# KiCad board data-center-rdimm-ddr5-tester.kicad_pcb (continued)
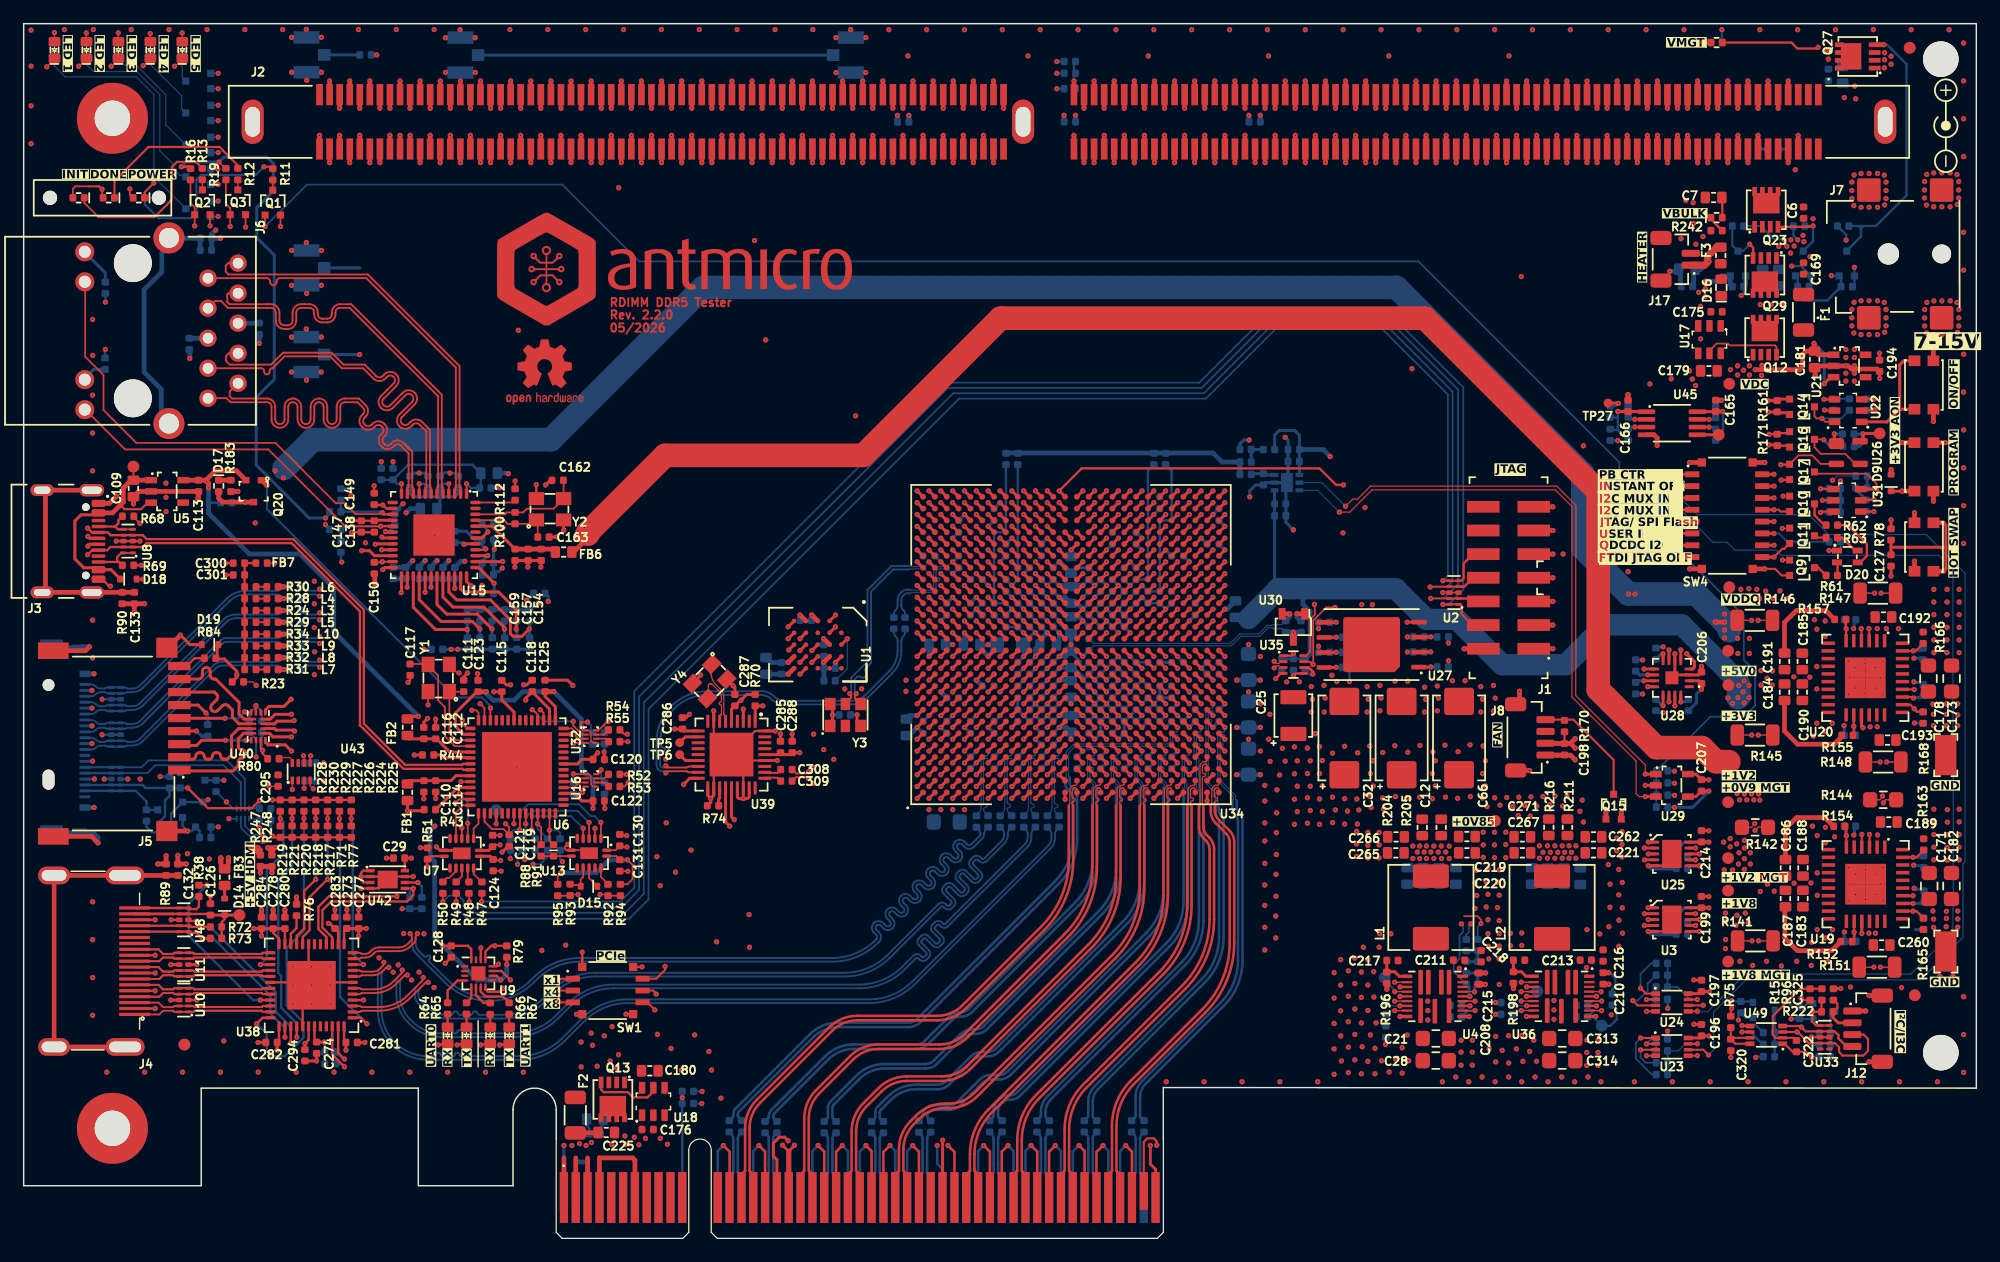
[diagram p0: board, top side]
## Routing (per net, layer and track width the routed paths; a pad name or vN(x,y) marks a point on that pad's centre or on a via; arc(x,y) is an arc through that point) (continued)
/DDR5 RDIMM/A.DQ18: length 76.5
  Top w0.256: U34.AC22 v1(98.5,59.2)
  Top w0.38: J2.174 v1(127,90.95)
  In2.Cu w0.148: 100,62.2 100,76.37 96.45,79.92 96.45,81.9 97.45,82.9 105.15,82.9 105.85,83.6 106.5,83.6 arc(106.78,83.48) 106.9,83.2 106.9,82.86 arc(107.02,82.58) 107.3,82.46 arc(107.58,82.58) 107.7,82.86 107.7,83.2 arc(107.82,83.48) 108.1,83.6 arc(108.38,83.48) 108.5,83.2 108.5,82.86 arc(108.62,82.58) 108.9,82.46 arc(109.18,82.58) 109.3,82.86 109.3,83.2 arc(109.42,83.48) 109.7,83.6 arc(109.98,83.48) 110.1,83.2 110.1,82.86 arc(110.22,82.58) 110.5,82.46 arc(110.78,82.58) 110.9,82.86 110.9,83.2 arc(111.02,83.48) 111.3,83.6 arc(111.58,83.48) 111.7,83.2 111.7,82.86 arc(111.82,82.58) 112.1,82.46 arc(112.38,82.58) 112.5,82.86 112.5,83.2 arc(112.62,83.48) 112.9,83.6 arc(113.18,83.48) 113.3,83.2 113.3,82.86 arc(113.42,82.58) 113.7,82.46 arc(113.98,82.58) 114.1,82.86 114.1,83.2 arc(114.22,83.48) 114.5,83.6 arc(114.78,83.48) 114.9,83.2 114.9,82.86 arc(115.02,82.58) 115.3,82.46 arc(115.58,82.58) 115.7,82.86 115.7,83.2 arc(115.82,83.48) 116.1,83.6 arc(116.38,83.48) 116.5,83.2 116.5,82.86 arc(116.62,82.58) 116.9,82.46 arc(117.18,82.58) 117.3,82.86 117.3,83.2 arc(117.42,83.48) 117.7,83.6 arc(117.98,83.48) 118.1,83.2 118.1,82.86 arc(118.22,82.58) 118.5,82.46 arc(118.78,82.58) 118.9,82.86 118.9,83.2 arc(119.02,83.48) 119.3,83.6 arc(119.58,83.48) 119.7,83.2 119.7,82.86 arc(119.82,82.58) 120.1,82.46 arc(120.38,82.58) 120.5,82.86 120.5,83.2 arc(120.62,83.48) 120.9,83.6 121.4,83.6 127,89.2 v1(127,90.95)
  In2.Cu w0.15: 100,62.2 100,61 99.7,60.7 99.37,60.7 99,60.33 99,59.7 v1(98.5,59.2)
/DDR5 RDIMM/A.DQ19: length 76
  Top w0.256: U34.AC23 v1(98.5,60.2)
  Top w0.38: J2.176 v1(125.3,90.95)
  In2.Cu w0.148: v1(98.5,60.2) 98.5,60.5 99,61 99,75.65 95.15,79.5 95.15,83.05 97.1,85 97.4,85 arc(97.63,84.9) 97.72,84.67 97.72,83.82 arc(97.82,83.59) 98.05,83.49 arc(98.28,83.59) 98.38,83.82 98.38,84.67 arc(98.47,84.9) 98.7,85 arc(98.93,84.9) 99.03,84.67 99.03,83.82 arc(99.12,83.59) 99.35,83.49 arc(99.58,83.59) 99.68,83.82 99.68,84.67 arc(99.77,84.9) 100,85 arc(100.23,84.9) 100.32,84.67 100.32,83.82 arc(100.42,83.59) 100.65,83.49 arc(100.88,83.59) 100.97,83.82 100.97,84.67 arc(101.07,84.9) 101.3,85 arc(101.53,84.9) 101.62,84.67 101.62,83.82 arc(101.72,83.59) 101.95,83.49 arc(102.18,83.59) 102.28,83.82 102.28,84.67 arc(102.37,84.9) 102.6,85 arc(102.83,84.9) 102.93,84.67 102.93,83.82 arc(103.02,83.59) 103.25,83.49 arc(103.48,83.59) 103.57,83.82 103.57,84.67 arc(103.67,84.9) 103.9,85 arc(104.13,84.9) 104.22,84.67 104.22,83.82 arc(104.32,83.59) 104.55,83.49 arc(104.78,83.59) 104.88,83.82 104.88,84.67 arc(104.97,84.9) 105.2,85 121.5,85 125.3,88.8 v1(125.3,90.95)
/DDR5 RDIMM/A.DQ20: length 74.6
  Top w0.256: U34.AD21 v1(99.5,58.2)
  Top w0.38: J2.36 v1(121.9,95.55)
  In2.Cu w0.148: v1(99.5,58.2) 99.3,58.2 98.8,58.7 98.2,58.7 98.05,58.85 98.05,74.7 93.9,78.85 93.9,83.4 96.5,86 121.15,86 124.53,89.37 124.53,91.77 123.55,92.75 arc(123.46,92.98) 123.55,93.21 124.03,93.69 arc(124.12,93.92) 124.03,94.15 arc(123.8,94.24) 123.57,94.15 123.09,93.67 arc(122.86,93.57) 122.63,93.67 arc(122.54,93.9) 122.63,94.13 123.11,94.61 arc(123.21,94.84) 123.11,95.07 arc(122.88,95.16) 122.65,95.07 122.17,94.59 arc(121.94,94.49) 121.71,94.59 121.6,94.7 121.6,95.25 v1(121.9,95.55)
/DDR5 RDIMM/A.DQ21: length 74.7
  Top w0.256: U34.AE21 v1(100.5,58.2)
  Top w0.38: J2.38 v1(120.2,95.55)
  In2.Cu w0.148: 101,58.7 102.4,58.7 104,60.3 104,73.8 107.95,77.75 122.1,77.75 131.03,86.67 131.03,92.2 131.75,92.92 131.75,94.1 127.45,98.4 122.42,98.4 120.2,96.18 120.2,96.08
  In2.Cu w0.15: 101,58.7 v1(100.5,58.2) ; v1(120.2,95.55) 120.2,96.08
/DDR5 RDIMM/A.DQ22: length 76.3
  Top w0.256: U34.AB21 v1(97.5,58.2)
  Top w0.38: 121.05,92.1 v1(121.05,90.95)
  In2.Cu w0.15: v1(121.05,90.95) 121.05,89.7 120,88.65 92.65,88.65 89.45,85.45 89.45,85.4 arc(89.36,85.19) 89.15,85.1 88.6,85.1 arc(88.39,85.01) 88.3,84.8 arc(88.39,84.59) 88.6,84.5 89.15,84.5 arc(89.36,84.41) 89.45,84.2 arc(89.36,83.99) 89.15,83.9 88.6,83.9 arc(88.39,83.81) 88.3,83.6 arc(88.39,83.39) 88.6,83.3 89.15,83.3 arc(89.36,83.21) 89.45,83 arc(89.36,82.79) 89.15,82.7 88.6,82.7 arc(88.39,82.61) 88.3,82.4 arc(88.39,82.19) 88.6,82.1 89.15,82.1 arc(89.36,82.01) 89.45,81.8 arc(89.36,81.59) 89.15,81.5 88.6,81.5 arc(88.39,81.41) 88.3,81.2 arc(88.39,80.99) 88.6,80.9 89.15,80.9 arc(89.36,80.81) 89.45,80.6 arc(89.36,80.39) 89.15,80.3 88.6,80.3 arc(88.39,80.21) 88.3,80 arc(88.39,79.79) 88.6,79.7 89.15,79.7 arc(89.36,79.61) 89.45,79.4 89.45,78.95 95.9,72.5 95.9,59.23 96.53,58.6 97.1,58.6 v1(97.5,58.2)
/DDR5 RDIMM/A.DQ23: length 76.2
  Top w0.256: U34.AC21 v1(98.5,58.2)
  Top w0.38: 119.35,92.1 v1(119.35,90.95)
  In2.Cu w0.15: v1(119.35,90.95) 119.35,90.1 118.8,89.55 91.45,89.55 90.92,89.02 arc(90.7,88.93) 90.47,89.02 90.09,89.4 arc(89.86,89.5) 89.63,89.4 arc(89.53,89.17) 89.63,88.94 90.01,88.57 arc(90.1,88.34) 90.01,88.11 arc(89.78,88.01) 89.55,88.11 89.17,88.48 arc(88.94,88.58) 88.71,88.48 arc(88.62,88.25) 88.71,88.02 89.09,87.65 arc(89.18,87.42) 89.09,87.19 arc(88.86,87.09) 88.63,87.19 88.25,87.56 arc(88.02,87.66) 87.79,87.56 arc(87.7,87.33) 87.79,87.1 88.17,86.73 arc(88.26,86.5) 88.17,86.27 87.32,85.42 87.32,79.42 95,71.75 95,58.9 95.2,58.7 95.8,58.7 96,58.5 96,58.13 96.43,57.7 97.7,57.7 98.2,58.2 v1(98.5,58.2)
/DDR5 RDIMM/A.DQ24: length 55.6
  Top w0.256: U34.AB25 v1(97.5,62.2)
  Top w0.38: 118.5,96.7 v1(118.5,95.55)
  In6.Cu w0.148: v1(118.5,95.55) 119,95.55 120.82,93.72 120.82,92.17 120.2,91.55 120.2,81.1 115.71,76.61 108.74,76.61 106.2,74.07 106.2,64.6 102.3,60.7 98.3,60.7 98,61 98,61.3 97.5,61.8 v1(97.5,62.2)
/DDR5 RDIMM/A.DQ25: length 51.9
  Top w0.256: U34.AF24 v1(101.5,61.2)
  Top w0.38: J2.42 v1(116.8,95.55)
  In6.Cu w0.148: v1(101.5,61.2) 101.55,61.2 105.1,64.75 105.1,74.27 108.72,77.9 115.32,77.9 119.05,81.62 119.05,82.96 arc(118.93,83.24) 118.66,83.36 arc(118.38,83.47) 118.26,83.75 118.26,84.11 arc(118.38,84.39) 118.66,84.51 arc(118.93,84.62) 119.05,84.9 119.05,85.26 arc(118.93,85.54) 118.66,85.66 arc(118.38,85.77) 118.26,86.05 118.26,86.41 arc(118.38,86.69) 118.66,86.81 arc(118.93,86.92) 119.05,87.2 119.05,87.56 arc(118.93,87.84) 118.66,87.96 arc(118.38,88.07) 118.26,88.35 118.26,88.71 arc(118.38,88.99) 118.66,89.11 arc(118.93,89.22) 119.05,89.5 119.05,89.77 118.6,90.22 118.6,91.57 119.3,92.27 119.3,93.65 117.4,95.55 v1(116.8,95.55)
/DDR5 RDIMM/A.DQ26: length 54.7
  Top w0.256: U34.AB26 v1(97.5,63.2)
  Top w0.38: J2.185 v1(117.65,90.95)
  In6.Cu w0.148: v1(97.5,63.2) 97.5,64.15 97.3,64.35 97.3,65.77 97.75,66.22 97.75,83.57 101.57,87.4 109.1,87.4 111.1,89.4 111.1,91.5 111.7,92.1 111.7,95.6 112.2,96.1 115.4,96.1 117.65,93.85 v1(117.65,90.95)
/DDR5 RDIMM/A.DQ27: length 52
  Top w0.256: U34.AF25 v1(101.5,62.2)
  Top w0.38: J2.187 v1(115.95,90.95)
  In6.Cu w0.148: v1(115.95,90.95) 116.53,90.95 117.18,90.3 117.18,83.4 116.93,83.15 arc(116.83,82.92) 116.93,82.69 117.68,81.94 arc(117.77,81.71) 117.68,81.48 arc(117.45,81.39) 117.22,81.48 116.47,82.23 arc(116.24,82.33) 116.01,82.23 arc(115.91,82) 116.01,81.77 116.76,81.02 arc(116.85,80.79) 116.76,80.56 arc(116.53,80.47) 116.3,80.56 115.55,81.31 arc(115.32,81.41) 115.09,81.31 arc(114.99,81.08) 115.09,80.85 115.84,80.1 arc(115.94,79.87) 115.84,79.64 arc(115.61,79.55) 115.38,79.64 114.63,80.39 arc(114.4,80.49) 114.17,80.39 arc(114.07,80.16) 114.17,79.93 114.92,79.18 arc(115.02,78.95) 114.92,78.72 arc(114.69,78.63) 114.46,78.72 113.71,79.47 arc(113.48,79.57) 113.25,79.47 112.86,79.09 108.49,79.09 104.12,74.72 104.12,64.82 v1(101.5,62.2)
/DDR5 RDIMM/A.DQ28: length 53.9
  Top w0.256: U34.AD24 v1(99.5,61.2)
  Top w0.38: 112.55,96.7 v1(112.55,95.55)
  In6.Cu w0.148: v1(112.55,95.55) 112.55,94.77 113.51,93.81 arc(113.62,93.55) 113.51,93.28 112.45,92.22 arc(112.34,91.95) 112.45,91.69 arc(112.72,91.58) 112.98,91.69 114.04,92.75 arc(114.31,92.86) 114.57,92.75 114.8,92.52 114.8,85.95 114.38,85.52 113.12,85.52 110.85,83.25 110.85,82.12 110.26,81.54 107.49,81.54 101.75,75.8 101.75,75.15 arc(101.61,74.82) 101.29,74.69 arc(100.96,74.55) 100.82,74.22 100.82,74 arc(100.96,73.67) 101.29,73.54 arc(101.61,73.4) 101.75,73.07 101.75,72.85 arc(101.61,72.52) 101.29,72.39 arc(100.96,72.25) 100.82,71.92 100.82,71.7 arc(100.96,71.37) 101.29,71.24 arc(101.61,71.1) 101.75,70.77 101.75,70.55 arc(101.61,70.22) 101.29,70.09 arc(100.96,69.95) 100.82,69.62 100.82,69.4 arc(100.96,69.07) 101.29,68.94 arc(101.61,68.8) 101.75,68.47 101.75,68.25 arc(101.61,67.92) 101.29,67.79 arc(100.96,67.65) 100.82,67.32 100.82,67.1 arc(100.96,66.77) 101.29,66.64 arc(101.61,66.5) 101.75,66.17 101.75,65.92 100,64.17 100,61.7 v1(99.5,61.2)
/DDR5 RDIMM/A.DQ29: length 54.8
  Top w0.256: U34.AC24 v1(98.5,61.2)
  Top w0.38: 110.85,96.7 v1(110.85,95.55)
  In6.Cu w0.148: v1(110.85,95.55) 110.2,94.9 110.2,91.85 110.6,91.45 110.6,90.12 109.03,88.55 98.82,88.55 98.36,88.09 arc(98.28,87.89) 98.36,87.68 arc(98.45,87.48) 98.36,87.28 98.09,87.01 arc(97.89,86.93) 97.69,87.01 arc(97.49,87.1) 97.29,87.01 97.02,86.74 arc(96.94,86.54) 97.02,86.34 arc(97.1,86.14) 97.02,85.94 96.75,85.67 arc(96.55,85.59) 96.35,85.67 arc(96.15,85.75) 95.94,85.67 95.15,84.87 95.15,84.1 arc(95.3,83.73) 95.68,83.57 95.72,83.57 arc(96.1,83.42) 96.25,83.05 arc(96.1,82.68) 95.72,82.52 95.68,82.52 arc(95.3,82.37) 95.15,82 arc(95.3,81.63) 95.68,81.47 95.72,81.47 arc(96.1,81.32) 96.25,80.95 arc(96.1,80.58) 95.72,80.42 95.68,80.42 arc(95.3,80.27) 95.15,79.9 95.15,79.3 96.9,77.55 96.9,66.97 96.6,66.67 96.6,64 96.95,63.65 96.95,63 97.25,62.7 97.71,62.7 98.05,62.36 98.05,62 98.5,61.55 v1(98.5,61.2)
/DDR5 RDIMM/A.DQ30: length 53.5
  Top w0.256: U34.AD25 v1(99.5,62.2)
  Top w0.38: J2.192 v1(111.7,90.95)
  In6.Cu w0.148: v1(111.7,90.95) 112.1,90.55 112.1,88.7 109.57,86.17 108.03,86.17 arc(107.71,86.04) 107.57,85.72 107.57,85.12 arc(107.44,84.81) 107.12,84.67 arc(106.81,84.81) 106.68,85.12 106.68,85.72 arc(106.54,86.04) 106.22,86.17 104.97,86.17 arc(104.67,86.05) 104.55,85.75 104.55,85.6 arc(104.43,85.3) 104.12,85.17 arc(103.82,85.3) 103.7,85.6 103.7,85.75 arc(103.58,86.05) 103.28,86.17 102.3,86.17 102.12,85.99 arc(101.95,85.58) 102.12,85.18 102.86,84.43 arc(103.03,84.03) 102.86,83.62 arc(102.45,83.45) 102.04,83.62 101.3,84.36 arc(100.9,84.53) 100.49,84.36 arc(100.32,83.96) 100.49,83.55 101.23,82.81 arc(101.4,82.4) 101.23,82 arc(100.82,81.83) 100.42,82 99.68,82.74 arc(99.27,82.91) 98.86,82.74 98.7,82.57 98.7,81.65 arc(98.82,81.35) 99.12,81.22 99.28,81.22 arc(99.58,81.1) 99.7,80.8 arc(99.58,80.5) 99.28,80.37 99.12,80.37 arc(98.82,80.25) 98.7,79.95 98.7,65.9 98,65.2 98,63.05 98.35,62.7 99,62.7 v1(99.5,62.2)
/DDR5 RDIMM/A.DQ31: length 55.5
  Top w0.256: U34.AB24 v1(97.5,61.2)
  Top w0.38: 110,92.1 v1(110,90.95)
  In6.Cu w0.148: v1(97.5,61.2) 97,61.7 96.3,61.7 96,62 96,76.52 92.1,80.42 92.1,81.32 arc(92.25,81.68) 92.6,81.82 92.78,81.82 arc(93.13,81.97) 93.28,82.32 arc(93.13,82.68) 92.78,82.82 92.6,82.82 arc(92.25,82.97) 92.1,83.32 arc(92.25,83.68) 92.6,83.82 92.78,83.82 arc(93.13,83.97) 93.28,84.32 arc(93.13,84.68) 92.78,84.82 92.6,84.82 arc(92.25,84.97) 92.1,85.32 92.1,86.37 92.3,86.57 arc(92.65,86.72) 93,86.57 93.13,86.45 arc(93.48,86.3) 93.84,86.45 arc(93.98,86.8) 93.84,87.15 93.71,87.28 arc(93.56,87.63) 93.71,87.99 arc(94.06,88.13) 94.42,87.99 94.54,87.86 arc(94.9,87.71) 95.25,87.86 arc(95.4,88.21) 95.25,88.57 95.12,88.69 arc(94.98,89.05) 95.12,89.4 95.43,89.7 108.8,89.7 110,90.9 v1(110,90.95)
/DDR5 RDIMM/A.DQS0_N: length 112.9
  Top w0.256: U34.Y21 v1(95.5,58.2)
  Top w0.38: J2.12 v1(142.3,95.55)
  In2.Cu w0.1: 101.85,52.58 97.28,52.58 96.9,52.96 96.9,55.37 96.66,55.61 95.18,55.61 94.93,55.87 94.93,57.52 95.21,57.8 95.45,57.8 95.5,57.85 v1(95.5,58.2)
  In2.Cu w0.13: 101.85,52.58 104.3,52.58 110.02,58.3 110.02,59.2 113.45,62.63 119.15,62.63 119.48,62.97 arc(119.67,63.42) 119.48,63.88 118.42,64.94 arc(118.3,65.23) 118.42,65.52 arc(118.7,65.64) 118.99,65.52 120.06,64.45 arc(120.51,64.26) 120.97,64.45 arc(121.16,64.91) 120.97,65.36 119.9,66.43 arc(119.78,66.72) 119.9,67 arc(120.19,67.12) 120.48,67 121.54,65.93 arc(122,65.75) 122.45,65.93 arc(122.64,66.39) 122.45,66.85 121.39,67.91 arc(121.27,68.2) 121.39,68.49 arc(121.67,68.61) 121.96,68.49 123.03,67.42 arc(123.48,67.23) 123.94,67.42 arc(124.13,67.88) 123.94,68.33 122.87,69.4 arc(122.75,69.69) 122.87,69.97 arc(123.16,70.09) 123.44,69.97 124.51,68.9 arc(124.97,68.72) 125.42,68.9 arc(125.61,69.36) 125.42,69.82 124.36,70.88 arc(124.24,71.17) 124.36,71.46 arc(124.64,71.58) 124.93,71.46 126,70.39 arc(126.45,70.2) 126.91,70.39 142.62,86.1 145.32,86.1 148.52,89.3 148.52,92.48 148.97,92.93 148.97,96.25 148,97.22 143.5,97.22 142.6,96.32 142.6,95.85 v1(142.3,95.55)
/DDR5 RDIMM/A.DQS0_P: length 113
  Top w0.256: U34.Y20 v1(95.5,57.2)
  Top w0.38: 143.15,96.7 143.15,95.55
  In2.Cu w0.1: 101.85,52.82 97.32,52.82 97.1,53.04 97.1,55.45 96.74,55.81 96.3,55.81 arc(96.19,55.85) 96.15,55.96 96.15,55.98 arc(96.11,56.09) 96,56.13 arc(95.89,56.09) 95.85,55.98 95.85,55.96 arc(95.81,55.85) 95.7,55.81 95.27,55.81 95.12,55.95 95.12,56.4 arc(95.16,56.49) 95.25,56.52 arc(95.34,56.56) 95.38,56.65 95.38,56.7 arc(95.34,56.79) 95.25,56.82 arc(95.16,56.86) 95.12,56.95 95.12,57.44 95.29,57.6 95.45,57.6 95.51,57.54 95.51,57.21 v1(95.5,57.2)
  In2.Cu w0.13: 101.85,52.82 104.2,52.82 109.78,58.4 109.78,59.3 113.35,62.87 119.05,62.87 119.32,63.13 arc(119.43,63.42) 119.32,63.71 118.25,64.78 arc(118.06,65.23) 118.25,65.69 arc(118.7,65.88) 119.16,65.69 120.23,64.62 arc(120.51,64.5) 120.8,64.62 arc(120.92,64.91) 120.8,65.19 119.73,66.26 arc(119.54,66.72) 119.73,67.17 arc(120.19,67.36) 120.64,67.17 121.71,66.1 arc(122,65.99) 122.28,66.1 arc(122.4,66.39) 122.28,66.68 122.29,66.68 121.22,67.74 arc(121.03,68.2) 121.22,68.66 arc(121.67,68.85) 122.13,68.66 123.2,67.59 arc(123.48,67.47) 123.77,67.59 arc(123.89,67.88) 123.77,68.16 122.7,69.23 arc(122.51,69.69) 122.7,70.14 arc(123.16,70.33) 123.61,70.14 124.68,69.07 arc(124.97,68.96) 125.25,69.07 arc(125.37,69.36) 125.25,69.65 124.19,70.71 arc(124,71.17) 124.19,71.63 arc(124.64,71.82) 125.1,71.63 126.17,70.56 arc(126.45,70.44) 126.74,70.56 142.53,86.34 145.23,86.34 148.28,89.4 148.28,92.57 148.73,93.02 148.73,96.15 148.58,96.3 arc(148.44,96.36) 148.3,96.3 148.25,96.26 arc(148.11,96.2) 147.97,96.26 arc(147.91,96.4) 147.97,96.54 148.02,96.58 arc(148.07,96.72) 148.02,96.87 147.9,96.98 143.6,96.98 143.55,96.93 arc(143.48,96.77) 143.55,96.61 143.55,96.6 143.61,96.54 arc(143.68,96.38) 143.61,96.22 arc(143.45,96.16) 143.29,96.22 143.26,96.25 143.26,96.25 143.23,96.29 arc(143.07,96.36) 142.91,96.29 142.84,96.23 142.84,95.85 v1(143.15,95.55)
/DDR5 RDIMM/A.DQS1_N: length 83.7
  Top w0.256: U34.AE20 v1(100.5,57.2)
  Top w0.38: J2.23 v1(132.95,95.55)
  In4.Cu w0.1: 101.7,57.58 101.68,57.6 101.23,57.6 arc(101.16,57.57) 101.12,57.49 101.12,57.45 arc(101.09,57.36) 101,57.33 arc(100.91,57.36) 100.88,57.45 100.88,57.47 arc(100.84,57.56) 100.75,57.6 100.34,57.6 100.1,57.36 100.1,57.25 100.15,57.2 v1(100.5,57.2)
  In4.Cu w0.13: v1(132.95,95.55) 133.25,95.85 133.25,96.03 133.15,96.13 132.55,96.13 132.22,95.8 132.22,95.3 arc(132.27,95.18) 132.4,95.12 132.43,95.12 arc(132.55,95.07) 132.6,94.95 132.6,94.9 arc(132.55,94.78) 132.43,94.72 132.4,94.72 arc(132.27,94.67) 132.22,94.55 132.22,93.52 133.87,91.87 133.87,88.36 129.16,83.65 129.16,82 127.65,80.48 127.15,80.48 arc(126.93,80.39) 126.84,80.17 126.84,78.86 arc(126.68,78.48) 126.3,78.32 arc(125.92,78.48) 125.76,78.86 125.76,80.17 arc(125.67,80.39) 125.45,80.48 arc(125.23,80.39) 125.14,80.17 125.14,78.86 arc(124.98,78.48) 124.6,78.32 arc(124.22,78.48) 124.06,78.86 124.06,80.17 arc(123.97,80.39) 123.75,80.48 arc(123.53,80.39) 123.44,80.17 123.44,78.86 arc(123.28,78.48) 122.9,78.32 arc(122.52,78.48) 122.36,78.86 122.36,80.17 arc(122.27,80.39) 122.05,80.48 121.45,80.48 121.06,80.09 arc(120.96,79.86) 121.06,79.62 121.62,79.06 arc(121.78,78.66) 121.62,78.26 arc(121.22,78.09) 120.82,78.26 120.26,78.82 arc(120.02,78.92) 119.78,78.82 arc(119.69,78.58) 119.78,78.35 120.35,77.78 arc(120.51,77.38) 120.35,76.98 arc(119.95,76.82) 119.55,76.98 118.98,77.55 arc(118.75,77.65) 118.51,77.55 118.31,77.35 118.31,69.25 114.45,65.38 108.5,65.38 107.37,64.25 107.37,60.55 104.4,57.58 101.7,57.58
/DDR5 RDIMM/A.DQS1_P: length 83.6
  Top w0.256: U34.AD20 v1(99.5,57.2)
  Top w0.38: J2.22 v1(133.8,95.55)
  In4.Cu w0.1: v1(99.5,57.2) 99.85,57.2 99.9,57.25 99.9,57.44 100.26,57.8 101.68,57.8 101.7,57.82
  In4.Cu w0.13: 101.7,57.82 104.3,57.82 107.13,60.65 107.13,64.35 108.4,65.61 114.35,65.61 118.09,69.35 118.09,77.45 118.35,77.71 arc(118.75,77.88) 119.15,77.71 119.71,77.15 arc(119.95,77.05) 120.18,77.15 arc(120.28,77.38) 120.18,77.62 119.62,78.18 arc(119.46,78.58) 119.62,78.98 arc(120.02,79.15) 120.42,78.98 120.98,78.42 arc(121.22,78.32) 121.46,78.42 arc(121.55,78.66) 121.46,78.89 120.89,79.46 arc(120.73,79.86) 120.89,80.26 121.35,80.71 122.05,80.71 arc(122.43,80.56) 122.59,80.17 122.59,78.86 arc(122.68,78.64) 122.9,78.55 arc(123.12,78.64) 123.21,78.86 123.21,80.17 arc(123.37,80.56) 123.75,80.71 arc(124.13,80.56) 124.29,80.17 124.29,78.86 arc(124.38,78.64) 124.6,78.55 arc(124.82,78.64) 124.91,78.86 124.91,80.17 arc(125.07,80.56) 125.45,80.71 arc(125.83,80.56) 125.99,80.17 125.99,78.86 arc(126.08,78.64) 126.3,78.55 arc(126.52,78.64) 126.61,78.86 126.61,80.17 arc(126.77,80.56) 127.15,80.71 127.55,80.71 128.94,82.1 128.94,83.75 133.63,88.44 133.63,91.78 131.98,93.43 131.98,95.9 132.45,96.37 133.25,96.37 133.5,96.12 133.5,95.85 v1(133.8,95.55)
/DDR5 RDIMM/A.DQS2_N: length 72.5
  Top w0.256: U34.AF22 v1(101.5,59.2)
  Top w0.38: J2.34 v1(123.6,95.55)
  In2.Cu w0.1: v1(101.5,59.2) 101.15,59.2 101.1,59.25 101.1,59.36 101.32,59.58 101.69,59.58
  In2.Cu w0.13: 101.69,59.58 102.02,59.58 103.12,60.68 103.12,74.55 103.51,74.94 arc(103.67,75.33) 103.51,75.71 103.19,76.04 arc(103.1,76.25) 103.19,76.47 arc(103.41,76.56) 103.62,76.47 103.94,76.15 arc(104.33,75.99) 104.72,76.15 arc(104.88,76.53) 104.72,76.92 104.39,77.24 arc(104.3,77.45) 104.39,77.67 arc(104.61,77.76) 104.83,77.67 105.15,77.35 arc(105.53,77.19) 105.92,77.35 arc(106.08,77.73) 105.92,78.12 105.6,78.44 arc(105.51,78.66) 105.6,78.87 arc(105.81,78.96) 106.03,78.87 106.35,78.55 arc(106.73,78.39) 107.12,78.55 107.3,78.73 121.45,78.73 129.67,86.95 129.67,92.03 130.44,92.8 130.44,93.85 128.82,95.47 128.82,95.9 127.95,96.77 124.3,96.77 123.91,96.37 123.91,95.85 v1(123.6,95.55)
/DDR5 RDIMM/A.DQS2_P: length 72.4
  Top w0.256: U34.AE22 v1(100.5,59.2)
  Top w0.38: J2.33 v1(124.45,95.55)
  In2.Cu w0.1: 101.69,59.82 101.28,59.82 100.9,59.44 100.9,59.25 100.85,59.2 v1(100.5,59.2)
  In2.Cu w0.13: 101.69,59.82 101.92,59.82 102.88,60.78 102.88,74.65 103.34,75.11 arc(103.43,75.33) 103.34,75.54 103.02,75.87 arc(102.86,76.25) 103.02,76.64 arc(103.41,76.8) 103.79,76.64 104.11,76.32 arc(104.33,76.23) 104.55,76.32 arc(104.64,76.53) 104.55,76.75 104.22,77.07 arc(104.06,77.45) 104.22,77.84 arc(104.61,78) 105,77.84 105.32,77.52 arc(105.53,77.43) 105.75,77.52 arc(105.84,77.73) 105.75,77.95 105.43,78.27 arc(105.27,78.66) 105.43,79.04 arc(105.81,79.2) 106.2,79.04 106.52,78.72 arc(106.73,78.63) 106.95,78.72 107.2,78.97 121.35,78.97 129.43,87.05 129.43,92.12 130.21,92.9 130.21,93.75 128.58,95.38 128.58,95.8 127.85,96.53 126.05,96.53 arc(125.94,96.49) 125.9,96.38 125.9,96.34 arc(125.86,96.23) 125.75,96.19 125.65,96.19 arc(125.54,96.23) 125.5,96.34 125.5,96.38 arc(125.46,96.49) 125.35,96.53 125.25,96.53 arc(125.14,96.49) 125.1,96.38 arc(125.06,96.27) 124.95,96.23 124.85,96.23 arc(124.74,96.27) 124.7,96.38 arc(124.66,96.49) 124.55,96.53 124.4,96.53 124.15,96.28 124.15,95.85 v1(124.45,95.55)
/DDR5 RDIMM/A.DQS3_N: length 53.3
  Top w0.256: U34.AE26 v1(100.5,63.2)
  Top w0.38: 114.25,96.7 v1(114.25,95.55)
  In6.Cu w0.1: v1(100.5,63.2) 100.5,62.85 100.55,62.8 100.66,62.8 100.9,63.04 100.9,63.5 101.31,63.92 101.31,63.93
  In6.Cu w0.13: 101.31,63.93 101.43,64.05 arc(101.47,64.14) 101.43,64.23 arc(101.39,64.32) 101.43,64.42 101.53,64.51 arc(101.62,64.55) 101.71,64.51 arc(101.8,64.47) 101.9,64.51 102.75,65.37 102.75,75.02 108.2,80.47 112.73,80.47 112.83,80.57 arc(112.93,80.82) 112.83,81.07 111.8,82.1 arc(111.63,82.52) 111.8,82.94 arc(112.23,83.11) 112.65,82.94 113.67,81.92 arc(113.92,81.81) 114.17,81.92 arc(114.28,82.17) 114.17,82.42 113.15,83.44 arc(112.97,83.86) 113.15,84.28 arc(113.57,84.46) 113.99,84.28 115.01,83.26 arc(115.26,83.16) 115.52,83.26 115.73,83.47 115.73,89.8 115.23,90.3 115.23,91.7 115.68,92.15 115.68,93.35 114.56,94.48 114.56,95.24 v1(114.25,95.55)
/DDR5 RDIMM/A.DQS3_P: length 53.3
  Top w0.256: U34.AE25 v1(100.5,62.2)
  Top w0.38: J2.44 v1(115.1,95.55)
  In6.Cu w0.1: v1(100.5,62.2) 100.5,62.55 100.55,62.6 100.74,62.6 101.1,62.96 101.1,63.42 101.37,63.69 101.41,63.69
  In6.Cu w0.13: v1(115.1,95.55) 114.79,95.24 114.79,94.57 115.92,93.45 115.92,92.05 115.47,91.6 115.47,90.4 115.97,89.9 115.97,83.38 115.68,83.09 arc(115.26,82.92) 114.84,83.09 113.82,84.11 arc(113.57,84.22) 113.32,84.11 arc(113.21,83.86) 113.32,83.61 114.34,82.59 arc(114.52,82.17) 114.34,81.75 arc(113.92,81.57) 113.5,81.75 112.48,82.77 arc(112.23,82.87) 111.97,82.77 arc(111.87,82.52) 111.97,82.27 113,81.24 arc(113.17,80.82) 113,80.4 112.82,80.23 108.3,80.23 103,74.93 103,65.27 101.41,63.69
/DDR5 RDIMM/A.DQS4_N: length 63.2
  Top w0.256: U34.V19 v1(93.5,56.2)
  Top w0.38: J2.56 v1(104.9,95.55)
  In4.Cu w0.1: 95.12,64.5 95.1,64.48 95.1,56.91 94.79,56.6 93.29,56.6 93.16,56.47 93.16,56.31 93.27,56.2 v1(93.5,56.2)
  In4.Cu w0.13: 95.12,64.5 95.12,64.65 115.12,84.65 115.12,92.25 113.52,93.85 113.52,96.6 112.8,97.32 105.95,97.32 105.21,96.57 105.21,95.85 v1(104.9,95.55)
/DDR5 RDIMM/A.DQS4_P: length 63.2
  Top w0.256: U34.U19 v1(92.5,56.2)
  Top w0.38: 105.75,96.7 v1(105.75,95.55)
  In4.Cu w0.1: v1(92.5,56.2) 92.56,56.2 92.57,56.2 92.82,56.2 92.93,56.31 92.93,56.52 93.21,56.8 94.71,56.8 94.9,56.99 94.9,64.48 94.88,64.5
  In4.Cu w0.13: v1(105.75,95.55) 105.44,95.85 105.44,96.39 arc(105.46,96.47) 105.5,96.53 105.51,96.54 arc(105.62,96.58) 105.74,96.54 105.74,96.53 105.85,96.43 arc(105.96,96.38) 106.08,96.43 arc(106.13,96.54) 106.08,96.66 105.97,96.77 105.97,96.77 105.95,96.8 arc(105.91,96.89) 105.95,96.98 106.05,97.08 112.7,97.08 113.28,96.5 113.28,93.75 114.88,92.15 114.88,84.75 94.88,64.75 94.88,64.5
/DDR5 RDIMM/A.DQS5_N: length 109.8
  Top w0.256: v1(142.3,90.95) 142.3,90.95 J2.156 ; U34.AC17 v1(98.5,54.2)
  In2.Cu w0.1: v1(98.5,54.2) 98.1,54.2 98.05,54.15 98.05,54.04 98.29,53.8 98.75,53.8 arc(98.82,53.83) 98.85,53.9 arc(98.88,53.97) 98.95,54 99.05,54 arc(99.12,53.97) 99.15,53.9 arc(99.18,53.83) 99.25,53.8 101.84,53.8 101.85,53.82
  In2.Cu w0.13: 101.85,53.82 103.55,53.82 108.68,58.95 108.68,59.9 112.8,64.02 115.7,64.02 116.23,64.55 116.23,66.55 122.65,72.97 127.5,72.97 128.56,74.03 arc(128.67,74.3) 128.56,74.56 128.02,75.1 arc(127.84,75.54) 128.02,75.98 arc(128.46,76.16) 128.9,75.98 129.43,75.44 arc(129.7,75.33) 129.97,75.44 arc(130.08,75.71) 129.97,75.98 129.43,76.52 arc(129.25,76.96) 129.43,77.39 arc(129.87,77.58) 130.31,77.39 130.85,76.86 arc(131.12,76.74) 131.39,76.86 arc(131.5,77.12) 131.39,77.39 130.85,77.93 arc(130.67,78.37) 130.85,78.81 arc(131.29,78.99) 131.72,78.81 132.26,78.27 arc(132.53,78.16) 132.8,78.27 arc(132.91,78.54) 132.8,78.81 132.26,79.35 arc(132.08,79.78) 132.26,80.22 arc(132.7,80.4) 133.14,80.22 133.68,79.68 arc(133.95,79.57) 134.21,79.68 arc(134.33,79.95) 134.21,80.22 133.68,80.76 arc(133.49,81.2) 133.68,81.64 arc(134.11,81.82) 134.55,81.64 135.09,81.1 arc(135.36,80.99) 135.63,81.1 arc(135.74,81.37) 135.63,81.64 135.09,82.17 arc(134.91,82.61) 135.09,83.05 arc(135.53,83.23) 135.97,83.05 136.51,82.51 arc(136.77,82.4) 137.04,82.51 arc(137.15,82.78) 137.04,83.05 136.5,83.59 arc(136.32,84.03) 136.5,84.47 arc(136.94,84.65) 137.38,84.47 137.92,83.93 arc(138.19,83.82) 138.46,83.93 arc(138.57,84.2) 138.46,84.46 137.92,85 arc(137.74,85.44) 137.92,85.88 arc(138.36,86.06) 138.79,85.88 139.33,85.34 arc(139.6,85.23) 139.87,85.34 arc(139.98,85.61) 139.87,85.88 139.33,86.42 arc(139.15,86.86) 139.33,87.29 arc(139.77,87.48) 140.21,87.29 140.75,86.75 arc(141.02,86.64) 141.29,86.75 141.95,87.42 144.85,87.42 147.38,89.95 147.38,93.89 arc(147.32,94.03) 147.18,94.09 arc(147.04,94.15) 146.98,94.29 146.98,94.39 arc(147.04,94.53) 147.18,94.59 arc(147.32,94.65) 147.38,94.79 147.38,95.8 146.95,96.23 144.7,96.23 144.12,95.65 144.12,95 arc(144.18,94.86) 144.32,94.8 144.45,94.8 arc(144.59,94.74) 144.65,94.6 144.65,94.55 arc(144.59,94.41) 144.45,94.35 144.32,94.35 arc(144.18,94.29) 144.12,94.15 144.12,92.88 143.4,92.15 142.35,92.15 142,91.8 142,91.25 v1(142.3,90.95)
/DDR5 RDIMM/A.DQS5_P: length 109.8
  Top w0.256: U34.AB17 v1(97.5,54.2)
  Top w0.38: J2.157 v1(141.45,90.95)
  In2.Cu w0.1: 101.85,53.58 101.84,53.6 98.21,53.6 97.85,53.96 97.85,54.15 97.8,54.2 v1(97.5,54.2)
  In2.Cu w0.13: v1(141.45,90.95) 141.75,91.25 141.75,91.9 142.25,92.39 143.3,92.39 143.88,92.97 143.88,95.75 144.6,96.47 147.05,96.47 147.62,95.9 147.62,89.85 144.95,87.18 142.05,87.18 141.45,86.59 arc(141.02,86.4) 140.58,86.59 140.04,87.12 arc(139.77,87.24) 139.5,87.12 arc(139.39,86.86) 139.5,86.59 140.04,86.05 arc(140.22,85.61) 140.04,85.17 arc(139.6,84.99) 139.16,85.17 138.62,85.71 arc(138.36,85.82) 138.09,85.71 arc(137.98,85.44) 138.09,85.17 138.63,84.63 arc(138.81,84.2) 138.63,83.76 arc(138.19,83.58) 137.75,83.76 137.21,84.3 arc(136.94,84.41) 136.67,84.3 arc(136.56,84.03) 136.67,83.76 137.21,83.22 arc(137.39,82.78) 137.21,82.34 arc(136.77,82.16) 136.34,82.34 135.8,82.88 arc(135.53,82.99) 135.26,82.88 arc(135.15,82.61) 135.26,82.34 135.8,81.81 arc(135.98,81.37) 135.8,80.93 arc(135.36,80.75) 134.92,80.93 134.38,81.47 arc(134.11,81.58) 133.84,81.47 arc(133.73,81.2) 133.84,80.93 134.38,80.39 arc(134.57,79.95) 134.38,79.51 arc(133.95,79.33) 133.51,79.51 132.97,80.05 arc(132.7,80.16) 132.43,80.05 arc(132.32,79.78) 132.43,79.52 132.97,78.98 arc(133.15,78.54) 132.97,78.1 arc(132.53,77.92) 132.09,78.1 131.55,78.64 arc(131.29,78.75) 131.02,78.64 arc(130.91,78.37) 131.02,78.1 131.56,77.56 arc(131.74,77.12) 131.56,76.69 arc(131.12,76.5) 130.68,76.69 130.14,77.22 arc(129.87,77.34) 129.6,77.22 arc(129.49,76.96) 129.6,76.69 130.14,76.15 arc(130.32,75.71) 130.14,75.27 arc(129.7,75.09) 129.26,75.27 128.73,75.81 arc(128.46,75.92) 128.19,75.81 arc(128.08,75.54) 128.19,75.27 128.73,74.73 arc(128.91,74.3) 128.73,73.86 127.6,72.73 122.75,72.73 116.47,66.45 116.47,64.45 115.8,63.78 112.9,63.78 108.92,59.8 108.92,58.85 103.65,53.58 101.85,53.58